# Altium PCB Disco 69.PcbDoc
Units mil, origin at the board's own origin, x right, y up, seen from the top; angles counter-clockwise.
Board outline 8872.23 x 3061.21 mil, 2 copper layers (Top Layer, Bottom Layer); 85 components, 55 nets, 293 pads, 138 vias.
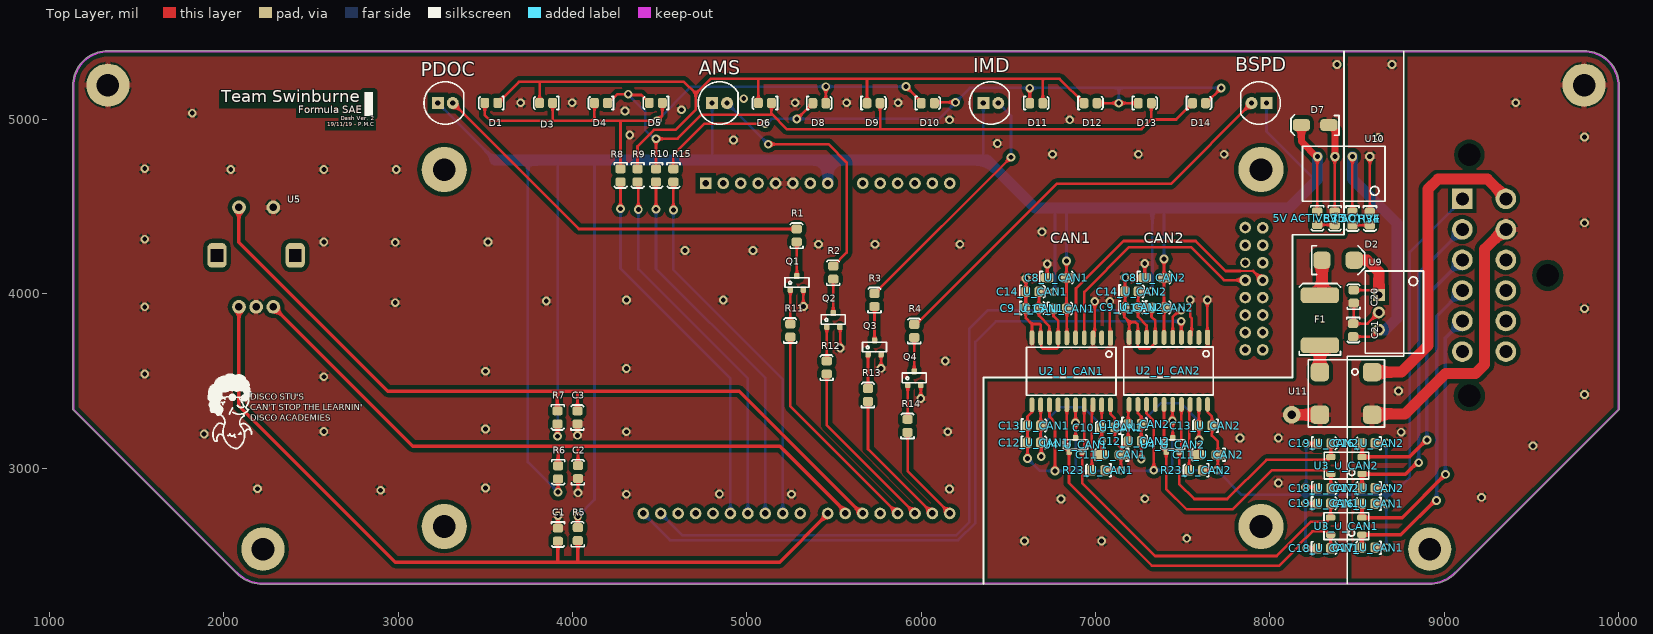
[diagram p0: Top Layer view]
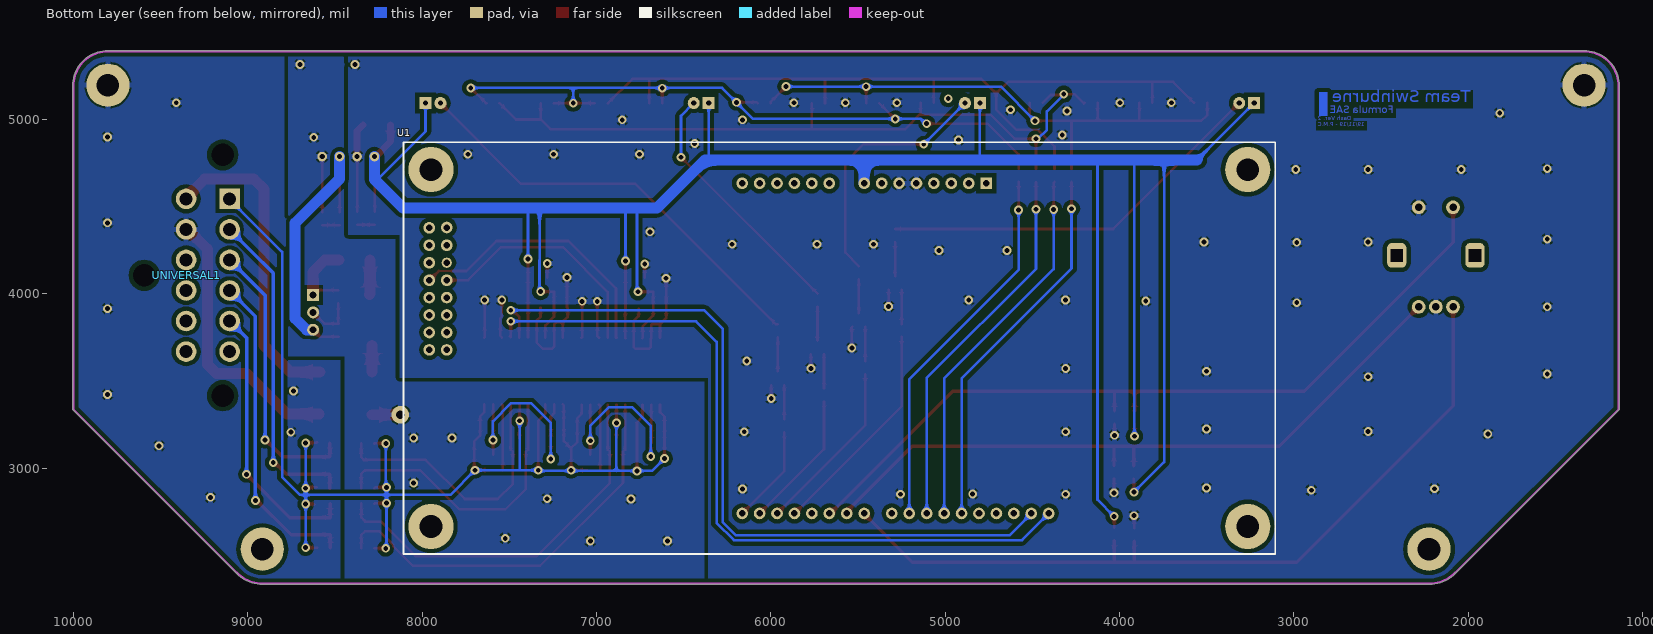
[diagram p1: Bottom Layer view, seen from below]

## Layer stack, top to bottom
Top Solder: solder mask 0.4, Solder Resist, Dk 3.5
Top Layer: signal copper 1.4
Dielectric 1: dielectric 12.6, FR-4, Dk 4.8
Bottom Layer: signal copper 1.4
Bottom Solder: solder mask 0.4, Solder Resist, Dk 3.5

## Board outline
2071.26,2398.03 1134.25,3335.04 1134.27,3335.02 cw(c1137.8,3338.58) 1132.78,3338.58 1132.78,5192.88 1132.78,5192.91 cw(c1334.65,5192.91) 1334.56,5394.78 cw(c1334.65,5389.77) 1334.65,5394.78 9803.15,5394.78 cw(c9803.15,5389.76) 9803.18,5394.78 cw(c9803.15,5192.91) 10005.02,5192.91 cw(c10000,5192.91) 10005.01,5192.86 10005.02,3338.58 cw(c10000,3338.58) 10003.53,3335.02 10003.55,3335.04 9066.54,2398.03 cw(c9062.99,2401.57) 9063.91,2396.64 cw(c8917.32,2535.43) 8917.32,2333.57 2224.41,2333.57 ccw(c2224.41,2338.58) 2224.44,2333.57 2224.41,2333.57 cw(c2224.41,2535.43) 2221.01,2333.6 cw(c2220.47,2338.58) 2220.47,2333.57 cw(c2220.47,2535.43) 2073.89,2396.64 cw(c2074.8,2401.57)

## Design rules (kind name [scope] priority, off if disabled: settings)
Clearance [All] p1: gap=11.81 ignorepadtopadclearanceinfootprint=TRUE except(0: Arc-Hole Track-Hole SMDPad-Hole THPad-Hole Via-Hole Fill-Hole Poly-Hole Region-Hole Text-Hole; 23.62: Arc-Poly Track-Poly SMDPad-Poly THPad-Poly Via-Poly Fill-Poly Poly-Poly)
Height [All] p1: minheight=0 maxheight=1968.5 prefheight=500
PlaneConnect [All] p1: planeconnectstyle=Relief reliefexpansion=20 reliefentries=4 reliefconductorwidth=31.5 reliefairgap=10
PolygonConnect [All] p1: connectstyle=Relief reliefconductorwidth=31.5 reliefentries=4 polygonreliefangle="90 Angle" airgapwidth=10
RoutingVias [All] p1: holewidth=28 width=50 viastyle="Through Hole" minholewidth=28 minwidth=50 maxholewidth=28 maxwidth=50
SolderMaskExpansion [All] p1: expansion=4
Width [All] p1: maxlimit=118.11 minlimit=11.81 preferedwidth=19.68
28 further rules are at their usual default settings.

## Classes and differential pairs
channel class CAN: U_CAN1 U_CAN2
component class U_Power: "5V ACTIVE" "5V ACTIVE (ISO)" C20 C21 D2 D7 F1 R34 R35 U9 U10 U11
component class U_CAN2: C8_U_CAN2 C9_U_CAN2 C10_U_CAN2 C11_U_CAN2 C12_U_CAN2 C13_U_CAN2 C14_U_CAN2 C15_U_CAN2 C16_U_CAN2 C17_U_CAN2 C18_U_CAN2 C19_U_CAN2 R23_U_CAN2 U2_U_CAN2 U3_U_CAN2 U4_U_CAN2
component class U_CAN1: C8_U_CAN1 C9_U_CAN1 C10_U_CAN1 C11_U_CAN1 C12_U_CAN1 C13_U_CAN1 C14_U_CAN1 C15_U_CAN1 C16_U_CAN1 C17_U_CAN1 C18_U_CAN1 C19_U_CAN1 R23_U_CAN1 U2_U_CAN1 U3_U_CAN1 U4_U_CAN1
component class "Top Level": AMS BSPD C1 C2 C3 D1 D3 D4 D5 D6 D8 D9 D10 D11 D12 D13 D14 IMD PDOC Q1 Q2 Q3 Q4 R1 R2 R3 R4 R5 R6 R7 R8 R9 R10 R11 R12 R13 R14 R15 U1 U5 UNIVERSAL1

## Components (designator, comment, footprint, x,y, rotation, side; value= is the part's Value field where it differs from the comment)
"5V ACTIVE" "LED" "0805 LED" 8475.05,4431.33 r270 top
"5V ACTIVE (ISO)" "LED" "0805 LED" 8272.98,4433.07 r270 top
AMS "RED" "5MM LED" 4457.29,4984.25 r0 top
BSPD "RED" "5MM LED" 8324.39,5204.72 r180 top
C1 "100nF" 0805 3917.32,2618.11 r270 top
C2 "100nF" 0805 4030.56,2977.62 r90 top
C3 "100nF" 0805 4027.56,3291.34 r90 top
C8_U_CAN1 "10nF" 1206 6825.88,4092.52 r0 top (schematic designator C8)
C8_U_CAN2 "10nF" 1206 7385.23,4092.52 r0 top (schematic designator C8)
C9_U_CAN1 "100nF" 0805 6638.1,3918.72 r0 top (schematic designator C9)
C9_U_CAN2 "100nF" 0805 7207.35,3922.82 r0 top (schematic designator C9)
C10_U_CAN1 "100nF" 0805 7072.59,3232.09 r180 top (schematic designator C10)
C10_U_CAN2 "100nF" 0805 7225.49,3253.94 r0 top (schematic designator C10)
C11_U_CAN1 "10nF" 1206 7043.54,3076.77 r180 top (schematic designator C11)
C11_U_CAN2 "10nF" 1206 7599.5,3076.77 r180 top (schematic designator C11)
C12_U_CAN1 "10uF" 0805 6647.95,3146.7 r0 top (schematic designator C12)
C12_U_CAN2 "10uF" 0805 7225.49,3155.51 r0 top (schematic designator C12)
C13_U_CAN1 "100nF" 0805 6647.95,3245.13 r0 top (schematic designator C13)
C13_U_CAN2 "100nF" 0805 7630.03,3243.06 r180 top (schematic designator C13)
C14_U_CAN1 "10uF" 0805 6638.87,4012.75 r0 top (schematic designator C14)
C14_U_CAN2 "10uF" 0805 7207.35,4013.91 r0 top (schematic designator C14)
C15_U_CAN1 "100nF" 0805 6796.35,3915.35 r0 top (schematic designator C15)
C15_U_CAN2 "100nF" 0805 7359.35,3921.79 r0 top (schematic designator C15)
C16_U_CAN1 "100pF" 0805 8565.05,2794.62 r180 top (schematic designator C16)
C16_U_CAN2 "100pF" 0805 8565.9,3141.86 r180 top (schematic designator C16)
C17_U_CAN1 "100pF" 0805 8565.05,2543.14 r180 top (schematic designator C17)
C17_U_CAN2 "100pF" 0805 8565.9,2884.47 r180 top (schematic designator C17)
C18_U_CAN1 "100pF" 0805 8312.06,2541.14 r0 top (schematic designator C18)
C18_U_CAN2 "100pF" 0805 8312.91,2885.29 r0 top (schematic designator C18)
C19_U_CAN1 "100pF" 0805 8312.06,2798.46 r0 top (schematic designator C19)
C19_U_CAN2 "100pF" 0805 8312.91,3142.69 r0 top (schematic designator C19)
C20 "10uF" 0805 8480.32,3984.65 r90 top
C21 "22uF" 0805 8479.12,3791.34 r270 top
D1 "Red" "0805 LED" 3533.4,5094.07 r180 top
D2 "SD560BTR" "SMB Diode" 8309.06,4192.91 r0 top
D3 "Red" "0805 LED" 3848.05,5094.07 r180 top
D4 "Red" "0805 LED" 4162.7,5094.07 r180 top
D5 "Red" "0805 LED" 4477.35,5094.07 r180 top
D6 "Red" "0805 LED" 5103.17,5094.07 r180 top
D7 "SMAZ5V6-13-F" "DI SMA Diode" 8338.58,4968.5 r180 top
D8 "Red" "0805 LED" 5416.26,5094.9 r0 top
D9 "Red" "0805 LED" 5727.44,5094.9 r0 top
D10 "Red" "0805 LED" 6038.62,5094.9 r0 top
D11 "Red" "0805 LED" 6660.98,5094.9 r0 top
D12 "Red" "0805 LED" 6972.16,5094.9 r0 top
D13 "Red" "0805 LED" 7283.34,5094.9 r0 top
D14 "Red" "0805 LED" 7594.52,5094.9 r0 top
F1 "0ZCF0200AF2C" 2920 8287.4,3704.72 r90 top
IMD "RED" "5MM LED" 6013.19,4984.25 r0 top
PDOC "RED" "5MM LED" 2884.05,4984.25 r0 top
Q1 "BC817-16LT1" "ON SOT-23 BJT" 5287.17,4062.99 r0 top
Q2 "BC817-16LT1" "ON SOT-23 BJT" 5496.05,3850.39 r0 top
Q3 "BC817-16LT1" "ON SOT-23 BJT" 5732.68,3692.91 r0 top
Q4 "BC817-16LT1" "ON SOT-23 BJT" 5960.63,3515.75 r0 top
R1 "240R" 0805 5285.11,4334.85 r90 top
R2 "240R" 0805 5495.02,4122.25 r90 top
R3 "240R" 0805 5731.65,3964.77 r90 top
R4 "240R" 0805 5959.6,3787.6 r90 top
R5 "10k" 0805 4029.53,2622.05 r90 top
R6 "10k" 0805 3918.35,2975.18 r270 top
R7 "10k" 0805 3915.35,3290.39 r270 top
R8 "680R" 0805 4276.62,4678.66 r270 top
R9 "680R" 0805 4374.02,4678.66 r270 top
R10 "680R" 0805 4480.32,4678.66 r270 top
R11 "1k" 0805 5248.74,3790.2 r90 top
R12 "1k" 0805 5457.61,3577.61 r90 top
R13 "1k" 0805 5694.24,3420.13 r90 top
R14 "1k" 0805 5921.17,3242.96 r90 top
R15 "680R" 0805 4579.77,4678.66 r270 top
R23_U_CAN1 "0R" 0805 7016.35,2987.16 r180 top (schematic designator R23)
R23_U_CAN2 "0R" 0805 7576.3,2987.16 r180 top (schematic designator R23)
R34 "1.5k" 0805 8575.05,4431.33 r270 top
R35 "1.5k" 0805 8372.98,4432.82 r270 top
U1 "DISCO-F469NI" DISCO-F469NI 5606.72,3649.73 r270 bottom locked
U2_U_CAN1 "ADM3053" "AD SOIC-W 20" 6860.66,3555.48 r180 top (schematic designator U2)
U2_U_CAN2 "ADM3053" "AD SOIC-W 20" 7418.1,3557.61 r180 top (schematic designator U2)
U3_U_CAN1 "B82787C0104H002" "TDK 4-PC Pad" 8528.12,2618.03 r180 top (schematic designator U3)
U3_U_CAN2 "B82787C0104H002" "TDK 4-PC Pad" 8528.98,2965.77 r180 top (schematic designator U3)
U4_U_CAN1 "NUP2105L" "ON SOT-23" 6885.83,3133.86 r0 top (schematic designator U4)
U4_U_CAN2 "NUP2105L" "ON SOT-23" 7443.1,3133.86 r0 top (schematic designator U4)
U5 "PEC11R-4230F-S0024" PEC11R-4230F-S0024-ND 2185.04,4220.47 r0 top
U9 "R-78C5.0-1.0" "RECOM 3-SIP" 8625.98,3993.7 r270 top
U10 "RI-0505S" "RECOM 4-SIP" 8424.02,4787.4 r180 top
U11 "744272121" "Wurth 4-PC Pad" 8287.4,3306.3 r0 top
UNIVERSAL1 "DT13-12P" DT13-12P 9354.33,4544.69 r270 bottom

## Footprints (in the part's own frame and the unit in brackets; to place one, negate y for a bottom-side part, rotate by r counter-clockwise, add the part's x,y. Pads: shape width x height; smd on the part's side, far side on the other; paste and mask are expansions set on the pad)
"5MM LED" [mm]
  rect 1.75x1.75 hole 0.762: A(8.725,2.8)
  round 1.75 hole 0.762: K(10.9,2.8)
  silkscreen extent 6.7,-0.3 12.48,5.9, body extent 6.85,-0.15 12.36,5.75, height 8.9
0805 [mil]
  rrect50% 51.18x59.06 smd: 1(-37.87,-1.03) 2(36.93,-1.03)
  silkscreen extent -73,-37 71,37, body extent -39,-26 39,26, height 29
"0805 LED" [mil]
  rrect50% 51.18x59.06 smd: A(-37.87,-1.03) K(36.93,-1.03)
  silkscreen extent -73,-37 71,37, body extent -43,-25 35,25, height 39
1206 [mm]
  rrect50% 1.8x1.4 smd: 1(-2.6,0) 2(0.2,0)
  silkscreen extent -3.7,-0.9 1.2,0.9, body extent -2.9,-0.9 0.5,0.9, height 1.85
2920 [mm]
  rrect50% 2.3x5.6 smd: 1(0,0) 2(7.3,0)
  silkscreen extent -1.4,-3 9,3, body extent -0.34,-2.81 7.64,2.81, height 1.14
"AD SOIC-W 20" [mil]
  rrect50% 28x85 smd: 1(-225,-192.02)
  oval 28x85 smd: 2(-175,-192.02) 3(-125,-192.02) 4(-75,-192.02) 5(-25,-192.02) 6(25,-192.02) 7(75,-192.02) 8(125,-192.02) 9(175,-192.02) 10(225,-192.02) 11(225,192.02) 12(175,191.98) 13(125,191.98) 14(75,191.98) 15(25,191.98) 16(-25,191.98) 17(-75,191.98) 18(-125,191.98) 19(-175,191.98) 20(-225,191.98)
  silkscreen extent -257,-138 256,138, body extent -260,-210 260,210, height 105
"DI SMA Diode" [mm]
  rrect50% 2.5x1.7 smd: A(0,0) K(4,0)
  silkscreen extent -1.5,-1.5 5.5,1.5, body extent -0.8,-1.46 4.79,1.46, height 2.35
DISCO-F469NI [mm]
  round 6.6 hole 3.3: 0(-27,-59.5) 0(-27,59.5) 0(25,-59.5) 0(25,59.5)
  rect 1.7x1.7 hole 0.95: 1(-25,21.391)
  round 1.7 hole 0.95: 2(-25,18.851) 3(-25,16.311) 4(-25,13.771) 5(-25,11.231) 6(-25,8.691) 7(-25,6.151) 8(-25,3.611) 9(-25,-1.469) 10(-25,-4.009) 11(-25,-6.549) 12(-25,-9.089) 13(-25,-11.629) 14(-25,-14.169) 15(23.103,30.499) 16(23.103,27.959) 17(23.103,25.419) 18(23.103,22.879) 19(23.103,20.339) 20(23.103,17.799) 21(23.103,15.259) 22(23.103,12.719) 23(23.103,10.179) 24(23.103,7.639) 25(23.103,3.611) 26(23.103,1.071) 27(23.103,-1.469) 28(23.103,-4.009) 29(23.103,-6.549) 30(23.103,-9.089) 31(23.103,-11.629) 32(23.103,-14.169) 33(-0.727,-57.213) 34(-3.267,-57.213) 35(-5.807,-57.213) 36(-8.347,-57.213) 37(-10.887,-57.213) 39(-15.967,-57.213) 40(-18.558,-57.213) 41(-18.507,-59.753) 42(-15.967,-59.753) 43(-13.427,-59.753) 44(-10.887,-59.753) 45(-8.347,-59.753) 46(-5.807,-59.753) 47(-3.267,-59.753) 48(-0.727,-59.753)
  round 1.5 hole 0.95: 38(-13.427,-57.213)
  silkscreen extent -31,-63.5 29,63.5, body extent -31.1,-64.69 29.95,63.89
DT13-12P [mm]
  round 3 hole 3.3 unplated: 0(-6.405,5.33) 0(11.135,-6.1) 0(28.675,5.33)
  rect 3x3 hole 1.9: 1(0,6.35)
  round 3 hole 1.9: 2(4.45,6.35) 3(8.9,6.35) 4(13.35,6.35) 5(17.8,6.35) 6(22.25,6.35) 7(22.25,0) 8(17.8,0) 9(13.35,0) 10(8.9,0) 11(4.45,0) 12(0,0)
  body extent -18.6,-34.7 40.6,9.5, height 37.63
"ON SOT-23" [mm] "NUP2105L"
  rrect50% 0.8x0.9 smd: 1(-0.95,-1) 2(0.95,-1) 3(0,1)
  silkscreen extent -1.75,-0.65 1.75,0.75, body extent -1.5,-1.27 1.5,1.28, height 1
"ON SOT-23 BJT" [mm] "NUP2105L"
  rrect50% 0.8x0.9 smd: B(-0.95,-1) C(0,1) E(0.95,-1)
  silkscreen extent -1.75,-0.65 1.75,0.75, body extent -1.5,-1.27 1.5,1.28, height 1
PEC11R-4230F-S0024-ND [mm]
  round 2 hole 1.1: 1(-2.5,-7.5) 2(2.5,-7.5) 3(0,-7.5) 4(-2.5,7) 5(2.5,7)
  rrect50% 2.8x3.6 hole 1.8 square: TAB(-5.7,0) TAB(5.7,0)
  body extent -6.92,-7.67 6.92,7.18, height 21.7
"RECOM 3-SIP" [mm] "12 to 42 Vdc In, 9 Vdc Out"
  rect 1.75x1.75 hole 1: 1(0,0)
  round 1.75 hole 1: 2(2.54,0) 3(5.08,0)
  silkscreen extent -3.5,-2 8.5,6.5, body extent -3.26,-2.02 8.34,6.48, height 11.41
"RECOM 4-SIP" [mil]
  round 55 hole 30: 1(-150,0) 2(-50,0) 3(50,0) 4(150,0)
  silkscreen extent -236,-59 236,256, body extent -225,-51 227,249, height 122
"SMB Diode" [mm]
  rrect50% 2.5x2.5 smd: A(-0.25,0) K(4.45,0)
  silkscreen extent -1.75,-2.1 6,2.1, body extent -0.69,-1.97 4.9,1.97, height 2.5
"TDK 4-PC Pad" [mm]
  rrect50% 1.35x0.9 smd: 1(0,0) 2(0,-2.5) 3(4.55,-2.5) 4(4.55,0)
  silkscreen extent -1,-3.2 5.5,0.7, body extent -0.02,-2.82 4.48,0.38, height 2.8
"Wurth 4-PC Pad" [mm]
  rrect50% 2.7x2.7 smd: 1(7.62,6.22) 2(0,6.22) 3(0,0) 4(7.62,0)
  silkscreen extent -1.7,-1.8 9.4,8, body extent -1.19,-1.24 8.81,7.46, height 6.2

## Part data
"5V ACTIVE" "5V ACTIVE (ISO)": library part SML-210LTT86, "Red LED Indication - Discrete 1.75V 0805 (2012 Metric)", Colour=Red, Digikey Part Number=511-1286-1-ND, Manufacturer="ROHM Semiconductor", Digikey Link=https://www.digikey.com/product-detail/en/rohm-semiconductor/SML-210LTT86/511-1286-1-ND/637099, Part Number=SML-210LTT86
AMS BSPD IMD PDOC: library part C503B-GAN-CB0F0791, "LED RED CLEAR 5MM ROUND T/H", Colour=Green, Digikey Part Number=C503B-GAN-CB0F0791-ND, Manufacturer="Cree Inc.", Digikey Link=https://www.digikey.com/products/en?mpart=C503B-GAN-CB0F0791&v=90&fbclid=IwAR2JUDlssEKQKztQKB3h34IlXIXn-Voov26K1DpWHwQ6mgzekaFZMifRLJU, Part Number=C503B-GAN-CB0F0791
C1 C2 C3 C9_U_CAN1 C9_U_CAN2 C10_U_CAN1 C10_U_CAN2 C13_U_CAN1 C13_U_CAN2 C15_U_CAN1 C15_U_CAN2: library part GCM21BR71E104KA37L, Manufacturer=muRata, Rated Voltage=25V, Tolerance=10%, Material=X7R, Part Number=GCM21BR71E104KA37L
C8_U_CAN1 C8_U_CAN2 C11_U_CAN1 C11_U_CAN2: library part GCM3195C2A103JA16D, Digikey Part Number=490-4978-2-ND, Manufacturer=muRata, Rated Voltage=100V, Tolerance=5%, Material=Ceramic, Part Number=GCM3195C2A103JA16D
C12_U_CAN1 C12_U_CAN2 C14_U_CAN1 C14_U_CAN2 C20: library part GRM21BR6YA106KE43L, Digikey Part Number=490-10514-6-ND, Manufacturer=muRata, Rated Voltage=50V, Tolerance=10%, Material=X5R, Part Number=GRM21BR6YA106KE43L
C16_U_CAN1 C16_U_CAN2 C17_U_CAN1 C17_U_CAN2 C18_U_CAN1 C18_U_CAN2 C19_U_CAN1 C19_U_CAN2: library part GCM21B5C1H101JA37L, Manufacturer=muRata, Rated Voltage=50V, Tolerance=5%, Material=C0G, Part Number=GCM21B5C1H101JA37L
C21: library part GRM21BR61A226ME51L, Digikey Part Number=490-10511-1-ND, Manufacturer=muRata, Rated Voltage=10V, Tolerance=20%, Material=X5R, Part Number=GRM21BR61A226ME51L
D1 D3 D4 D5 D6 D8 D9 D10 D11 D12 D13 D14: library part SML-210LTT86, "Red LED Indication - Discrete 1.75V 0805 (2012 Metric)", Digikey Part Number=511-1286-1-ND, Manufacturer="ROHM Semiconductor", Colour=Red, Digikey Link=https://www.digikey.com/product-detail/en/rohm-semiconductor/SML-210LTT86/511-1286-1-ND/637099, Part Number=SML-210LTT86
D2: "1.2V_F 600V 5A SMB", Digikey Part Number=1655-1530-2-ND, Manufacturer="SMC Diode Solutions", Digikey Link=https://www.digikey.com/product-detail/en/smc-diode-solutions/SD560BTR/1655-1530-2-ND/6022620, Part Number=SD560BTR
D7: "DIODE ZENER 5.6V 1W SMA", Digikey Part Number=SMAZ5V6-FDICT-ND, Manufacturer="Diodes Inc", Digikey Link=https://www.digikey.com/product-detail/en/diodes-incorporated/SMAZ5V6-13-F/SMAZ5V6-FDICT-ND/755500, Part Number=SMAZ5V6-13-F
F1: "SMD 24V 2A Fuse", Digikey Part Number=507-1749-2-ND, Manufacturer="Bel Fuse Inc", Digikey Link=https://www.digikey.com/product-detail/en/bel-fuse-inc/0ZCF0200AF2C/507-1749-2-ND/4156090, Part Number=0ZCF0200AF2C
Q1 Q2 Q3 Q4: "300mW  BJT NPN Transistor", Digikey Part Number=BC817-16LT1OSTR-ND, Manufacturer="ON Semiconductor", Digikey Link=https://www.digikey.com.au/product-detail/en/on-semiconductor/BC817-16LT1/BC817-16LT1OSTR-ND/606178, Part Number=BC817-16LT1
R1 R2 R3 R4: library part RC0805FR07240RL, Manufacturer=YAGEO, Rated Voltage=0.125W, Tolerance=0.01, Material=FR-07, Part Number=RC0805FR07240RL, Qty=50
R5 R6 R7: library part RC0805FR0710KL, Manufacturer=YAGEO, Rated Voltage=0.125W, Tolerance=0.01, Material=FR-07, Part Number=RC0805FR0710KL, Qty=50
R8 R9 R10 R15: library part RC0805FR07680RL, Manufacturer=YAGEO, Rated Voltage=0.125W, Tolerance=0.01, Material=FR-07, Part Number=RC0805FR07680RL, Qty=50
R11 R12 R13 R14: library part RC0805FR071KL, Manufacturer=YAGEO, Rated Voltage=0.125W, Tolerance=0.01, Material=FR-07, Part Number=RC0805FR071KL, Qty=50
R23_U_CAN1 R23_U_CAN2: library part RC0805FR070RL, Manufacturer=YAGEO, Rated Voltage=0.125W, Tolerance=0.01, Material=FR-07, Part Number=RC0805FR070RL, Qty=50
R34 R35: library part RC0805FR071K5L, Manufacturer=YAGEO, Rated Voltage=0.125W, Tolerance=0.01, Material=FR-07, Part Number=RC0805FR071K5L, Qty=50
U1: "STM32F469 Discovery STM32F4 ARM® Cortex®-M4 MCU 32-Bit Embedded Evaluation Board  (The Disco 69 lol)", Digikey Part Number=497-15990-ND, Manufacturer=STMicroelectronics, Digikey Link=https://www.digikey.com/product-detail/en/stmicroelectronics/STM32F469I-DISCO/497-15990-ND/5428811, Part Number=DISCO-F469NI
U2_U_CAN1 U2_U_CAN2: "Isolated CAN Transceiver", Digikey Part Number=ADM3053BRWZ-ND, Manufacturer="Analogue Devices", Digikey Link=https://www.digikey.com/product-detail/en/analog-devices-inc/ADM3053BRWZ/ADM3053BRWZ-ND/2709332, Part Number=ADM3053
U3_U_CAN1 U3_U_CAN2: "Common mode choke intended for CANBUS 150mA 50V)", Digikey Part Number=495-4598-2-ND, Manufacturer="EPCOS (TDK)", Digikey Link=https://www.digikey.com/product-detail/en/epcos-tdk/B82787C0104H002/495-4598-2-ND/3680998, Part Number=B82787C0104H002
U4_U_CAN1 U4_U_CAN2: "Dual Line CAN Bus Protector", Digikey Part Number=NUP2105LT1GOSCT-ND, Manufacturer="ON Semiconductor", Digikey Link=https://www.digikey.com/product-detail/en/on-semiconductor/NUP2105LT1G/NUP2105LT1GOSCT-ND/1485001, Part Number=NUP2105L
U5: "Quadrature Rotary encoder w/ pushbutton", Digikey Part Number=PEC11R-4230F-S0024-ND, Manufacturer="Bourns Inc.", Digikey Link=https://www.digikey.com/product-detail/en/bourns-inc/PEC11R-4230F-S0024/PEC11R-4230F-S0024-ND/4699230, Part Number=PEC11R-4230F-S0024
U9: "CONV DC/DC 1A 5V OUT SIP VERT", Digikey Part Number=945-1395-5-ND, Manufacturer=Recom, Digikey Link=https://www.digikey.com.au/product-detail/en/recom-power/R-78C5.0-1.0/945-1395-5-ND/2652148, Part Number=R-78C5.0-1.0
U10: "5V DC-DC Converter (2W)", Digikey Part Number=945-1189-ND, Manufacturer=Recom, Digikey Link=https://www.digikey.com/product-detail/en/recom-power/RI-0505S/945-1189-ND/2256369, Part Number=RI-0505S
U11: "Common Mode Choke 120UH 2.5A 2LN 460 OHM SMD", Digikey Part Number=732-1489-2-ND, Manufacturer="Wurth Electronics Inc", Digikey Link=https://www.digikey.com/product-detail/en/wurth-electronics-inc/744272121/732-1489-2-ND/1638893, Part Number=744272121
UNIVERSAL1: library part DT13-12P[[/\]]DT13-12P, Digikey Part Number=1734-1451-ND, Angle=90, Contact=Nickel, Digikey Link=https://www.digikey.com.au/product-detail/en/te-connectivity-deutsch-connectors/DT13-12PA/1734-1451-ND/7220123, Flange=Yes, Part Number=DT13-12P, Pitch=4.44mm, Positions=12, Row Spacing=6.35mm

## Free pads (board coordinates)
  round 248.03 hole 129.92: 4(1334.65,5196.85) 4(2224.41,2535.43) 4(8917.32,2535.43) 4(9803.15,5196.85)

## Via types
v1: diameter 50, hole 28, Top Layer to Bottom Layer, 137 vias
v2: diameter 100, hole 50, Top Layer to Bottom Layer, 1 vias

## Nets (pads, with @x,y where several pads share a name; then routed paths per layer and width w, separated by ;. In a path a pad name is that pad's centre, name@x,y a point inside that pad or via, vN(x,y) a via of type N, cw(c..) or ccw(c..) an arc to the next point about the centre after c; other vN are vias at no path point)
0V: C20.1 C21.1 R34.1 U9.2 U10.1 U11.3 | length 775.9
  Top Layer w15: C20.1 8481.35,3832.47 C21.1 8561.49,3829.21 U9.2 ; R34.1 8574.02,4782.68 U10.1@8578.74,4787.4
  Top Layer w62.99: v2(8125.2,3306.3) U11.3
  other v1: 6592.52,2581.69 7035.66,2581.69 7523.62,2597.44 6802.8,2822.83 7283.28,2824.74 8048.98,2915.13 7829.52,3173.23 8048.98,3173.23 8622.05,4897.64 8700.79,5314.96
"0V (ISO)": C1.1 C2.1 C3.1 C8_U_CAN1.1 C8_U_CAN2.1 C9_U_CAN1.1 C9_U_CAN2.1 C14_U_CAN1.1 C14_U_CAN2.1 C15_U_CAN1.1 C15_U_CAN2.1 D7.A pad.4@1334.65,5196.85 Q1.E Q2.E Q3.E Q4.E R35.1 U1.5 U1.6 U2_U_CAN1.1 U2_U_CAN1.3 U2_U_CAN1.7 U2_U_CAN1.9 U2_U_CAN1.10 U2_U_CAN2.1 U2_U_CAN2.3 U2_U_CAN2.7 U2_U_CAN2.9 U2_U_CAN2.10 U5.3 U5.5 U10.3 | length 3872.5
  Top Layer w15: C1.1 v1(3916.29,2727.32) ; v1(4028.59,3188.04) C3.1 ; v1(4031.59,2858.36) C2.1 ; v1(5324.58,3926.94) Q1.E ; Q2.E 5539.37,3805.1 5535.43,3801.17 v1(5535.43,3688.98) ; v1(5770.08,3572.44) Q3.E ; v1(5998.03,3399.61) Q4.E ; v1(6601,4089.19) C14_U_CAN1.1 6600.23,4010.94 C9_U_CAN1.1 6600.23,3860.4 6633.86,3826.77 ; U2_U_CAN1.10 6635.66,3824.97 6633.86,3826.77 ; C8_U_CAN1.1 v1(6723.52,4171.37) ; C15_U_CAN1.1 6758.48,3873.05 6785.66,3845.87 U2_U_CAN1.7 6785.66,3693.35 6776.88,3684.57 6699.01,3684.57 6688.15,3695.42 6688.15,3745.01 U2_U_CAN1.9 6685.66,3822.05 6680.94,3826.77 6633.86,3826.77 ; U2_U_CAN1.3 6996.06,3757.9 v1(6996.06,3956.69) ; v1(7082.68,3956.69) 7082.68,3752.39 7086.61,3748.45 U2_U_CAN1.1 ; v1(7169.48,4094.68) C14_U_CAN2.1 C9_U_CAN2.1 7165.35,3917.66 7165.35,3866.5 7193.27,3838.58 ; U2_U_CAN2.10 7193.27,3749.8 7193.27,3838.58 ; C8_U_CAN2.1 v1(7282.87,4173.83) ; C15_U_CAN2.1 7321.47,3867.5 7343.1,3845.87 U2_U_CAN2.7 7343.1,3721.49 7306.18,3684.57 7255.2,3684.57 7243.1,3696.66 U2_U_CAN2.9 7243.1,3822.83 7227.36,3838.58 7193.27,3838.58 ; U2_U_CAN2.3 7552.17,3758.7 7552.17,3860.87 7543.31,3869.73 v1(7543.31,3964.57) ; v1(7641.73,3964.57) 7641.73,3751.01 U2_U_CAN2.1 ; R35.1 8371.95,4777.46 U10.3@8374.02,4779.53
  Top Layer w39.37: D7.A 8374.02,4933.07 U10.3
  other v1: 4308.83,2850.39 5255.91,2850.39 4842.52,2852.13 2899.61,2873.03 6163.16,2880.97 2193.05,2881.89 3500.98,2885.83 1886.81,3195.87 4308.83,3208.49 6152.91,3208.99 2573.46,3210.4 3500.98,3224.24 2573.46,3524.61 1545.96,3540.35 3500.98,3555.97 4308.83,3571.71 6138.2,3614.53 1545.96,3925.2 2982.98,3949.42 3849.47,3958.56 4310.27,3964.29 4864.57,3964.29 4645.67,4248.83 5035.78,4248.83 5410.72,4284.18 5734.92,4284.18 6222.15,4284.18 2982.98,4295.28 2573.46,4297.9 3515.01,4297.9 1545.96,4313.64 6692.95,4355.31 2039.81,4712.6 2988.59,4712.6 2573.46,4713.59 1545.96,4717.88 6753.71,4800.95 7245.83,4800.95 7737.96,4800.95 6437.01,4862.2 4923.85,4882.79 4328.51,4911.19 6163.16,4997.8 6852.13,4997.8 1818.9,5036.42 4301.18,5049.21 4625,5056.1 3702.53,5096.23 3997.8,5096.23 5277.33,5096.23 5572.61,5096.23 5867.88,5096.23 8385.83,5314.96
5V: "5V ACTIVE.A" C21.2 U9.3 U10.2 | length 1646
  Top Layer w15: 8474.02,4469.2 U10.2 ; C21.2 8586.69,3754.41 U9.3
  Bottom Layer w62.99: U10.2 8474.02,4659.84 8728.35,4405.51 8728.35,3858.27 8663.78,3793.7 U9.3
"5V (ISO)": "5V ACTIVE (ISO).A" AMS.A BSPD.A C8_U_CAN1.2 C8_U_CAN2.2 C9_U_CAN1.2 C9_U_CAN2.2 C14_U_CAN1.2 C14_U_CAN2.2 C15_U_CAN1.2 C15_U_CAN2.2 D7.K IMD.A PDOC.A R5.2 R6.2 R7.2 U1.8 U2_U_CAN1.6 U2_U_CAN1.8 U2_U_CAN2.6 U2_U_CAN2.8 U10.4 | length 16468.7
  Top Layer w15: v1(3914.32,3183.07) R7.2 ; v1(3917.32,2862.3) R6.2 ; R5.2 v1(4030.56,2723.47) ; U2_U_CAN1.8@6738.15,3745.01 U2_U_CAN1.8 6735.66,3813.71 6675.03,3874.35 C9_U_CAN1.2 6675.03,4010.94 C14_U_CAN1.2 v1(6762.62,4011.72) ; U2_U_CAN1.6@6833.18,3745.01 U2_U_CAN1.6 6835.66,3911.94 C15_U_CAN1.2 6833.76,3914.8 C8_U_CAN1.2 v1(6833.76,4188.09) ; U2_U_CAN2.8 7293.1,3819.71 7244.28,3868.53 C9_U_CAN2.2 C14_U_CAN2.2 v1(7320.56,4012.88) ; U2_U_CAN2.6 C8_U_CAN2.2 v1(7393.1,4200.19) ; 8271.95,4470.94 8271.95,4785.34 U10.4
  Top Layer w39.37: D7.K 8181.1,4874.02 U10.4@8271.65,4783.46
  Bottom Layer w15: PDOC.A 3554.32,4767.72 ; 3744.09,4767.72 3744.09,3035.53 v1(3917.32,2862.3) ; v1(3914.32,3183.07) 3914.32,4764.72 3917.32,4767.72 ; v1(4030.56,2723.47) 4125.98,2818.9 4125.98,4759.84 4133.86,4767.72 ; 4791.34,4767.72 4800.79,4777.17 AMS.A ; IMD.A 6356.69,4788.98 6377.95,4767.72 ; v1(6762.62,4011.72) 6767.83,4016.93 6767.83,4488.07 6763.78,4492.13 ; v1(6833.76,4188.09) 6833.76,4491.24 6834.65,4492.13 ; v1(7320.56,4012.88) 7327.18,4019.5 7327.18,4192.18 7326.77,4192.59 7326.77,4492.13 ; 7381.89,4492.13 7393.1,4480.91 v1(7393.1,4200.19) ; BSPD.A 7980.89,4932.5 8257.48,4655.91 8274.02,4655.91
  Bottom Layer w62.99: 3554.32,4767.72 3744.09,4767.72 3917.32,4767.72 4133.86,4767.72 4791.34,4767.72 5464.57,4767.72 ; U1.8 5464.57,4767.72 ; U10.4 8274.02,4655.91 8110.24,4492.13 7381.89,4492.13 7326.77,4492.13 6834.65,4492.13 6763.78,4492.13 6653.54,4492.13 6377.95,4767.72 5464.57,4767.72
AMS: R12.1 U1.30 | length 1009.1
  Top Layer w15: R12.1 5458.65,3246.08 U1.30
BSPD: R14.1 U1.32 | length 565.3
  Top Layer w15: R14.1 5922.2,2982.53 U1.32
C1: R8.2 U1.20 | length 2162.7
  Top Layer w15: v1(4275.59,4488.19) R8.2
  Bottom Layer w15: v1(4275.59,4488.19) 4275.59,4145.67 4905.97,3515.29 U1.20
C2: R9.2 U1.21 | length 2163.8
  Top Layer w15: R9.2 4377.95,4636.76 v1(4377.95,4484.25)
  Bottom Layer w15: v1(4377.95,4484.25) 4377.95,4141.73 5005.97,3513.72 U1.21
C3: R10.2 U1.22 | length 2161.2
  Top Layer w15: v1(4479.28,4485.28) R10.2
  Bottom Layer w15: v1(4479.28,4485.28) 4479.28,4142.76 5105.97,3516.08 U1.22
C4: R15.2 U1.23 | length 2161.4
  Top Layer w15: v1(4578.74,4480.32) R15.2
  Bottom Layer w15: v1(4578.74,4480.32) 4578.74,4137.8 5205.97,3510.57 U1.23
CAN1_RX: U1.37 U2_U_CAN1.4 | length 1372.1
  Top Layer w15: U2_U_CAN1.4 6935.66,4011.53 7191.85,4267.72 7547.24,4267.72 7736.61,4078.35 U1.37
CAN1_TX: U1.44 U2_U_CAN1.5 | length 1562.8
  Top Layer w11.81: 7829.52,4131.11 7904.32,4131.11
  Top Layer w15: U2_U_CAN1.5 6888.5,3747.5 6888.5,4030.97 7160.69,4303.15 7574.8,4303.15 7746.82,4131.13 7829.5,4131.13 ; 7904.32,4131.11 7957.08,4078.35 U1.44
CAN1H: C16_U_CAN1.2 U3_U_CAN1.2 UNIVERSAL1.5 | length 1581
  Top Layer w20: C16_U_CAN1.2 U3_U_CAN1.2 8759.77,2716.46 v1(9007.87,2964.57)
  Bottom Layer w20: v1(9007.87,2964.57) 9007.87,3747.44 UNIVERSAL1.5
CAN1L: C17_U_CAN1.2 U3_U_CAN1.1 UNIVERSAL1.4 | length 1860.6
  Top Layer w20: C17_U_CAN1.2 U3_U_CAN1.1 8751.77,2618.03 8956.69,2822.96 v1(8956.69,2814.96)
  Bottom Layer w20: v1(8956.69,2814.96) 8956.69,3871.46 UNIVERSAL1.4
CAN2_RX: U1.15 U2_U_CAN2.4 | length 4403.6
  Top Layer w15: v1(7492.11,3842.51) v1@7492.11,3850.38 ; U2_U_CAN2.4@7492.13,3751.97 7496.06,3755.91 7492.13,3759.84 v1(7492.11,3842.51)
  Bottom Layer w15: U1.15 4558.76,2587.36 6211.89,2587.36 6311.02,2686.49 6311.02,3724.41 6429.13,3842.52 v1(7492.11,3842.51) ; v1@7492.13,3850.39 v1(7492.11,3842.51) v1@7503.93,3830.71
CAN2_TX: U1.16 U2_U_CAN2.5 | length 4436.1
  Top Layer w15: U2_U_CAN2.5 7443.1,3868.3 v1@7488.19,3913.39
  Bottom Layer w15: U1.16 4631.95,2614.17 6200.79,2614.17 6275.59,2688.98 6275.59,3799.21 6381.89,3905.51 7484.23,3905.51 v1@7492.13,3913.41 ; v1(7492.13,3905.51) v1@7492.13,3913.41 ; v1@7492.13,3921.22 v1@7492.13,3913.41 ; v1@7492.16,3921.25 7496.06,3917.35 v1@7492.13,3913.41
CAN2H: C16_U_CAN2.2 U3_U_CAN2.2 UNIVERSAL1.3 | length 1608.4
  Top Layer w20: C16_U_CAN2.2 U3_U_CAN2.2 8800.41,3064.19 8897.64,3161.42 v1(8901.57,3161.42)
  Bottom Layer w20: v1(8901.57,3161.42) 8901.57,3991.54 UNIVERSAL1.3
CAN2L: C17_U_CAN2.2 U3_U_CAN2.1 UNIVERSAL1.2 | length 1901.9
  Top Layer w20: C17_U_CAN2.2 U3_U_CAN2.1 8778.33,2965.77 8854.76,3042.2 v1(8854.76,3031.5)
  Bottom Layer w20: v1(8854.76,3031.5) 8863.07,3031.5 8854.33,3040.24 8854.33,4119.49 8982.81,4247.97 UNIVERSAL1.2
CANS: C10_U_CAN1.1 C10_U_CAN2.1 C11_U_CAN1.1 C11_U_CAN2.1 C12_U_CAN1.1 C12_U_CAN2.1 C13_U_CAN1.1 C13_U_CAN2.1 C16_U_CAN1.1 C16_U_CAN2.1 C17_U_CAN1.1 C17_U_CAN2.1 C18_U_CAN1.1 C18_U_CAN2.1 C19_U_CAN1.1 C19_U_CAN2.1 R23_U_CAN1.1 R23_U_CAN2.1 U2_U_CAN1.11 U2_U_CAN1.13 U2_U_CAN1.16 U2_U_CAN1.20 U2_U_CAN2.11 U2_U_CAN2.13 U2_U_CAN2.16 U2_U_CAN2.20 U4_U_CAN1.3 U4_U_CAN2.3 UNIVERSAL1.1 | length 9051.3
  Top Layer w15: v1(6610.08,3055.28) C12_U_CAN1.1 C13_U_CAN1.1 6610.08,3295.11 6635.66,3320.7 U2_U_CAN1.11 ; U2_U_CAN1.13 6736.22,3362.94 6736.22,3295.28 6771.65,3259.84 6767.72,3255.91 v1(6767.72,2984.25) ; U4_U_CAN1.3@6885.66,3173.23 v1@6885.66,3259.84 ; U2_U_CAN1.16 v1@6885.66,3259.84 ; v1(6885.83,3259.84) v1@6885.66,3259.84 ; R23_U_CAN1.1 v1(7145.67,2988.19) 7145.9,2988.19 C11_U_CAN1.1 7145.9,3113.94 7145.67,3114.17 ; U2_U_CAN1.20 7085.66,3311.97 7110.46,3287.18 C10_U_CAN1.1 7110.46,3149.38 7145.67,3114.17 ; U2_U_CAN2.11 7187.62,3360.11 C10_U_CAN2.1 C12_U_CAN2.1 7147.31,3114.17 7145.67,3114.17 ; U2_U_CAN2.13 7293.1,3313.2 7334.65,3271.65 v1(7334.65,2988.19) ; v1(7440.94,3271.65) 7440.94,3363.48 U2_U_CAN2.16 ; U4_U_CAN2.3 v1@7443.1,3271.65 ; R23_U_CAN2.1 v1(7696.85,2988.19) ; U2_U_CAN2.20 7643.1,3321.46 7667.9,3296.66 C13_U_CAN2.1 7667.9,3186.43 7701.87,3152.46 C11_U_CAN2.1 7701.87,2988.19 v1(7696.85,2988.19) ; v1@7700.79,2992.13 v1(7696.85,2988.19) ; v1(8204.72,2799.21) 8271.65,2799.21 C19_U_CAN1.1@8275.59,2795.28 ; v1(8204.72,2889.76) 8269.54,2889.76 C18_U_CAN2.1 ; v1(8208.66,3141.73) C19_U_CAN2.1 C19_U_CAN2.1 ; v1(8209.4,2540.11) C18_U_CAN1.1 ; C16_U_CAN2.1@8602.36,3149.61 8606.3,3145.67 8667.56,3145.67 v1(8668.42,3144.8) ; C17_U_CAN1.1 v1(8668.42,2544.18) ; C17_U_CAN2.1@8606.3,2889.76 8663.62,2889.76 v1(8668.42,2884.96) ; C16_U_CAN1.1@8618.11,2791.34 8621.18,2794.41 v1(8668.42,2794.41)
  Bottom Layer w15: v1(6610.08,3055.28) 6681.1,2984.25 v1(6767.72,2984.25) 6885.83,2984.25 ; v1(6885.83,3259.84) 6885.83,2984.25 ; v1@7141.73,2984.25 6885.83,2984.25 ; v1@7157.48,2984.25 7330.71,2984.25 v1(7334.65,2988.19) 7437.01,2988.19 ; v1(7440.94,3271.65) 7440.94,2992.13 7437.01,2988.19 ; v1(8204.72,2799.21) 8204.72,2544.79 v1(8209.4,2540.11) ; v1@8204.72,2811.02 8204.72,2846.46 ; v1(8208.66,3141.73) 8208.66,2882.04 8208.74,2881.97 8204.72,2877.95 8204.72,2846.46 ; v1(8668.42,2544.18) v1(8668.42,2794.41) 8668.42,2846.46 ; v1(8668.42,3144.8) v1(8668.42,2884.96) 8668.42,2846.46 ; UNIVERSAL1.1@9090.55,4539.37 9090.55,4527.56 8803.15,4240.16 8803.15,2948.82 8700.79,2846.46 8668.42,2846.46 ; 7437.01,2988.19 v1(7696.85,2988.19) 7838.58,2846.46 8204.72,2846.46 ; 8204.72,2846.46 8668.42,2846.46
"Enc Button": C3.2 R7.1 U1.27 U5.4 | length 4648.9
  Top Layer w19.68: U5.4 2086.61,4295.28 2940.94,3440.95 3913.39,3440.95 ; R7.1 3913.39,3329.2 3913.39,3440.95 ; C3.2 4028.59,3439.91 4027.56,3440.95 ; U1.27@5662.07,2734.59 4955.71,3440.95 4027.56,3440.95 ; 3913.39,3440.95 4027.56,3440.95
"Enc Channel A": C1.2 R5.1 U1.25 U5.1 | length 4675
  Top Layer w19.68: U5.1 2086.61,3358.27 2984.25,2460.63 3909.45,2460.63 ; C1.2 3916.29,2467.47 3909.45,2460.63 ; R5.1 4030.56,2461.66 4031.59,2460.63 ; U1.25@5462.07,2734.59 5188.11,2460.63 4031.59,2460.63 ; 3909.45,2460.63 4031.59,2460.63
"Enc Channel B": C2.2 R6.1 U1.26 U5.2 | length 4008
  Top Layer w19.68: U5.2 3082.68,3125.98 3916.29,3125.98 ; R6.1 3917.32,3124.95 3916.29,3125.98 ; C2.2 4031.59,3125.89 4031.5,3125.98 ; U1.26@5562.07,2734.59 5562.07,2754.09 5190.18,3125.98 4031.5,3125.98 ; 3916.29,3125.98 4031.5,3125.98
GLV+: U11.1 UNIVERSAL1.12 | length 1778.3
  Top Layer w62.99: U11.1 8755.91,3551.18 8908.46,3703.74 8908.46,4601.38 8964.57,4657.48 9248.03,4657.48 UNIVERSAL1.12@9342.52,4562.99
GLV-: pad.4@9803.15,5196.85 U11.4 UNIVERSAL1.11 | length 1589.7
  Top Layer w62.99: U11.4@8590.55,3311.02 8775.59,3311.02 9007.87,3543.31 9181.1,3543.31 9232.28,3594.49 9232.28,4255.91 9345.87,4369.49 UNIVERSAL1.11
  other v1: 9214.34,2832.45 9509.61,3127.72 8753.71,3206.46 9804.89,3423 8737.96,3442.69 9804.89,3915.13 9804.89,4407.25 9804.89,4899.38 9411.19,5096.23
IMD: R13.1 U1.31 | length 795.1
  Top Layer w15: R13.1 5695.28,3109.45 U1.31
"Net5V ACTIVE (ISO)_K": "5V ACTIVE (ISO).K" R35.2 | length 100.1
  Top Layer w15: 8271.95,4396.14 8371.7,4396.14 R35.2
"Net5V ACTIVE_K": "5V ACTIVE.K" R34.2 | length 100
  Top Layer w15: 8474.02,4394.4 R34.2
NetAMS_K: AMS.K R2.2 | length 1453.9
  Top Layer w15: v1(5122.64,4858.27) 5468.5,4858.27 5572.61,4754.17 5572.61,4235.73 R2.2
  Bottom Layer w15: AMS.K v1(5122.64,4858.27)
NetBSPD_K: BSPD.K R4.2 | length 2460.7
  Top Layer w15: R4.2 5970.2,3824.53 6776.78,4631.11 7431.88,4631.11 BSPD.K
NetC10_U_CAN1_2: C10_U_CAN1.2 C11_U_CAN1.2 C12_U_CAN1.2 C13_U_CAN1.2 U2_U_CAN1.12 U2_U_CAN1.19 | length 1274.2
  Top Layer w15: C12_U_CAN1.2 C13_U_CAN1.2 6685.66,3244.88 U2_U_CAN1.12 ; v1(6688.98,3066.93) C12_U_CAN1.2@6688.98,3137.8 ; v1(7035.43,3157.48) v1@7035.66,3157.48 ; C11_U_CAN1.2 v1@7035.66,3157.48 ; U2_U_CAN1.19 C10_U_CAN1.2 v1@7035.66,3157.48
  Bottom Layer w15: v1(6688.98,3066.93) 6688.98,3244.09 6795.17,3350.29 6929.24,3350.29 7035.43,3244.09 v1(7035.43,3157.48)
NetC10_U_CAN2_2: C10_U_CAN2.2 C11_U_CAN2.2 C12_U_CAN2.2 C13_U_CAN2.2 U2_U_CAN2.12 U2_U_CAN2.19 | length 1349.4
  Top Layer w15: U2_U_CAN2.12 7243.1,3315.95 7262.42,3296.64 C10_U_CAN2.2 C12_U_CAN2.2 v1(7262.42,3052.54) ; C11_U_CAN2.2 7593.1,3078.24 C13_U_CAN2.2 U2_U_CAN2.19
  Bottom Layer w15: v1(7262.42,3052.54) 7262.42,3258.48 7376.42,3372.48 7489.72,3372.48 7594.49,3267.72 v1(7594.49,3161.42) v1@7594.49,3157.48
NetC18_U_CAN1_2: C18_U_CAN1.2 U2_U_CAN1.15 U3_U_CAN1.4 U4_U_CAN1.1 | length 2322.6
  Top Layer w15: U2_U_CAN1.15 6835.66,3107.25 U4_U_CAN1.1 6848.43,2915.35 7322.83,2440.95 8055.12,2440.95 8165.09,2550.92 8165.09,2558.47 8244.42,2637.8 8329.22,2637.8 U3_U_CAN1.4 C18_U_CAN1.2
NetC18_U_CAN2_2: C18_U_CAN2.2 U2_U_CAN2.15 U3_U_CAN2.4 U4_U_CAN2.1 | length 1665.9
  Top Layer w15: U2_U_CAN2.15 7393.1,3107.09 U4_U_CAN2.1 7405.7,2881.7 7523.62,2763.78 7787.4,2763.78 8011.81,2988.19 8327.42,2988.19 U3_U_CAN2.4 C18_U_CAN2.2
NetC19_U_CAN1_2: C19_U_CAN1.2 U2_U_CAN1.17 U3_U_CAN1.3 U4_U_CAN1.2 | length 2225
  Top Layer w15: U2_U_CAN1.17 6935.66,3106.92 U4_U_CAN1.2 6923.23,2915.35 7342.52,2496.06 8039.37,2496.06 8236.22,2692.91 8325.44,2692.91 U3_U_CAN1.3 C19_U_CAN1.2
NetC19_U_CAN2_2: C19_U_CAN2.2 U2_U_CAN2.17 U3_U_CAN2.3 U4_U_CAN2.2 | length 1544.2
  Top Layer w15: U2_U_CAN2.17 7493.1,3107.09 U4_U_CAN2.2 7480.51,2909.26 7566.93,2822.83 7755.91,2822.83 7980.31,3047.24 8332.9,3047.24 U3_U_CAN2.3 C19_U_CAN2.2
NetC20_2: C20.2 D2.K U9.1 | length 465.8
  Top Layer w15: C20.2 8598.11,4021.57 U9.1
  Top Layer w62.99: D2.K@8476.38,4192.91 D2.K 8559.06,4192.91 8625.98,4125.98 U9.1
NetD1_A: D1.A D3.K D6.K D9.A D11.K D12.A R9.1 | length 4721.7
  Top Layer w15: D1.A 3692.71,5216.54 3814.96,5216.54 ; D3.K 3811.12,5212.7 3814.96,5216.54 ; R9.1 4372.98,4846.13 4467.8,4940.94 4590.55,4940.94 4707.32,5057.71 4707.32,5148.26 ; D6.K 5066.25,5232.6 5066.93,5233.29 ; D9.A 5689.57,5228.76 5685.04,5233.29 ; D11.K 6697.91,5226.47 6704.72,5233.29 ; D12.A 6794.87,5233.29 6704.72,5233.29 ; 3814.96,5216.54 4639.04,5216.54 4707.32,5148.26 ; 4707.32,5148.26 4792.34,5233.29 5066.93,5233.29 ; 5066.93,5233.29 5685.04,5233.29 ; 5685.04,5233.29 6704.72,5233.29
NetD1_K: D1.K D3.A D4.K D5.A D8.K D10.A R8.1 | length 3407.5
  Top Layer w15: D1.K 3496.48,5027.15 3531.28,4992.34 3881.89,4992.34 ; D3.A 3885.92,4996.37 3881.89,4992.34 ; D4.K 4125.77,4992.34 ; R8.1 4275.59,4988.4 4271.65,4992.34 ; D5.A 4515.22,5023.09 v1(4484.47,4992.34) 4271.65,4992.34 ; D8.K v1(5453.19,5188.54) ; v1(5913.39,5188.98) 6000.75,5101.61 D10.A ; 3881.89,4992.34 4125.77,4992.34 ; 4125.77,4992.34 4271.65,4992.34
  Bottom Layer w15: v1(4484.47,4992.34) 4681.1,5188.98 v1@5452.76,5188.98 ; v1(5453.19,5188.54) v1@5452.76,5188.98 ; v1(5913.39,5188.98) v1@5452.76,5188.98
NetD2_A: D2.A F1.2 | length 198.5
  Top Layer w62.99: D2.A 8299.21,4000 F1.2@8303.15,3996.06
NetD4_A: D4.A D5.K D6.A D9.K D13.K D14.A R10.1 | length 4331.5
  Top Layer w15: D4.A 4204.51,5091.17 4259.01,5145.67 v1(4319.88,5145.67) 4324.8,5140.75 4394.78,5140.75 D5.K ; R10.1 v1(4479.28,4889.76) 4602.36,4889.76 4740.16,5027.56 5140.36,5027.56 5141.05,5028.25 ; D6.A 5141.05,5028.25 ; D9.K 5764.37,4945.08 5764.57,4944.88 ; D13.K 7320.27,5001.37 7318.9,5000 ; D14.A 7462.78,5000 7318.9,5000 ; 5141.05,5028.25 5143.01,5030.21 5228.35,4944.88 5764.57,4944.88 ; 5764.57,4944.88 7263.78,4944.88 7318.9,5000
  Bottom Layer w15: v1(4319.88,5145.67) 4318.9,5144.69 4416.34,5047.24 4416.34,4939.87 4466.44,4889.76 v1(4479.28,4889.76)
NetD8_A: D8.A D10.K D11.A D12.K D13.A D14.K R15.1 | length 4174.2
  Top Layer w15: R15.1 4578.74,4799.21 4755.91,4976.38 v1(5106.3,4976.38) ; v1(5286.14,5003.25) 5287.77,5003.25 D8.A ; D10.K 6080.1,5098.43 v1(6196.85,5098.43) ; D11.A v1(6623.11,5180.04) ; D12.K v1(7133.86,5093.87) D13.A ; D14.K 7634.31,5093.87 v1(7721.55,5181.1)
  Bottom Layer w15: v1(5106.3,4976.38) 5114.17,4976.38 5141.73,5003.94 6102.36,5003.94 v1(6196.85,5098.43) 6279.53,5181.1 v1@6622.05,5181.1 ; v1(6623.11,5180.04) v1@6622.05,5181.1 ; v1(7133.86,5093.87) 7133.86,5181.1 ; v1(7721.55,5181.1) 7133.86,5181.1 ; v1@6622.05,5181.1 7133.86,5181.1
NetF1_1: F1.1 U11.2 | length 153.5
  Top Layer w62.99: U11.2 F1.1
NetIMD_K: IMD.K R3.2 | length 1448.3
  Top Layer w15: R3.2 6514.45,4783.46 v1(6515.75,4783.46)
  Bottom Layer w15: IMD.K 6515.75,5021.06 v1(6515.75,4783.46)
NetPDOC_K: PDOC.K R1.2 | length 2272.3
  Top Layer w15: PDOC.K 4035.9,4371.77 R1.2
NetQ1_B: Q1.B R11.2 | length 196.5
  Top Layer w15: R11.2 Q1.B
NetQ1_C: Q1.C R1.1 | length 195
  Top Layer w15: R1.1 5287.17,4295.94 Q1.C
NetQ2_B: Q2.B R12.2 | length 196.5
  Top Layer w15: R12.2 Q2.B
NetQ2_C: Q2.C R2.1 | length 194.6
  Top Layer w15: Q2.C R2.1
NetQ3_B: Q3.B R13.2 | length 196.5
  Top Layer w15: R13.2 Q3.B
NetQ3_C: Q3.C R3.1 | length 194.6
  Top Layer w15: Q3.C R3.1
NetQ4_B: Q4.B R14.2 | length 196.9
  Top Layer w15: R14.2 5923.23,3280.92 Q4.B
NetQ4_C: Q4.C R4.1 | length 194.6
  Top Layer w15: Q4.C R4.1
NetR23_U_CAN1_2: R23_U_CAN1.2 U2_U_CAN1.18 | length 377.9
  Top Layer w15: R23_U_CAN1.2 6979.43,3357.26 U2_U_CAN1.18
NetR23_U_CAN2_2: R23_U_CAN2.2 U2_U_CAN2.18 | length 382.5
  Top Layer w15: R23_U_CAN2.2 7536.89,2990.67 7536.89,3361.9 7539.37,3361.9 U2_U_CAN2.18
PDOC: R11.1 U1.29 | length 1266.8
  Top Layer w15: R11.1 5249.77,3354.95 U1.29
pads on no net: U1.0 U1.1 U1.2 U1.3 U1.4 U1.7 U1.9 U1.10 U1.11 U1.12 U1.13 U1.14 U1.17 U1.18 U1.19 U1.24 U1.28 U1.33 U1.34 U1.35 U1.36 U1.38 U1.39 U1.40 U1.41 U1.42 U1.43 U1.45 U1.46 U1.47 U1.48 U2_U_CAN1.2 U2_U_CAN1.14 U2_U_CAN2.2 U2_U_CAN2.14 U5.TAB UNIVERSAL1.0 UNIVERSAL1.6 UNIVERSAL1.7 UNIVERSAL1.8 UNIVERSAL1.9 UNIVERSAL1.10
copper on no net:
  other v1: 4982.06,5119.85

## Polygon pours and split planes (outlines as drawn)
"0V (ISO)" on Top Layer "Top Layer-0V (ISO)" (solid, remove dead copper, pour order 4): 6358.27,2338.58 6358.27,3519.69 8129.92,3519.69 8129.92,4338.58 8425.2,4338.58 8425.2,5394.78 1133.86,5394.78 1133.86,2338.58
0V on Top Layer "Top Layer-0V" (solid, remove dead copper, pour order 12): 6358.27,3515.75 6358.27,2338.58 8444.88,2338.58 8444.88,3641.73 8767.72,3641.73 8767.72,5394.78 8425.2,5394.78 8425.2,4338.58 8129.92,4338.58 8129.92,3519.69
GLV- on Top Layer "Top Layer-GLV-" (solid, remove dead copper, pour order 14): 8767.72,5511.81 8767.72,3641.73 8444.88,3641.73 8444.88,2338.58 10000,2338.58 10000,5511.81
no net on Top Layer "Top Layer-No Net" (solid, pour order 2): 4724.41,1476.38
0V on Bottom Layer "Bottom Layer-0V" (solid, remove dead copper, pour order 10): 6358.27,3519.69 6362.2,3515.75 6362.2,2338.58 8444.88,2338.58 8444.88,3641.73 8767.72,3641.73 8767.72,5511.81 8425.2,5511.81 8425.2,4338.58 8129.92,4338.58 8129.92,3519.69
"0V (ISO)" on Bottom Layer "Bottom Layer-0V (ISO)" (solid, remove dead copper, pour order 6): 8425.2,5511.81 8425.2,4338.58 8129.92,4338.58 8129.92,3519.69 6358.27,3519.69 6358.27,2338.58 1137.8,2338.58 1137.8,5511.81
GLV- on Bottom Layer "Bottom Layer-GLV-" (solid, remove dead copper, pour order 18): 8444.88,3641.73 8444.88,2338.58 10000,2338.58 10000,5610.24 8767.72,5610.24 8767.72,3641.73

## Keep-outs
Keep-Out Layer:
  lines w10: 2074.8,2401.57 1137.8,3338.58 1137.8,5192.91 cw(c1334.65,5192.91) 1334.65,5389.76 9803.15,5389.76 cw(c9803.15,5192.91) 10000,5192.91 10000,3338.58 9062.99,2401.57 ; 2075.53,2402.24 ccw(c2220.47,2535.43) 2220.47,2338.58 ; 2224.41,2338.58 8917.32,2338.58 ccw(c8917.32,2535.43) 9062.27,2402.24

## Other copper
Top Layer:
  rectangle: 2806.3,5021.5 2856.3,5156.5
  pour cut-out: 8133.86,4051.18 8133.86,3633.86 8417.32,3633.86 8417.32,4051.18
  text "Team Swinburne" at 1986.3,5076.5 h120
  text "Formula SAE" at 2426.3,5021.5 h70
  text "Dash Ver. 2" at 2670.11,4986.5 h40
  text "19/11/19 - P.M.C" at 2593.36,4951.5 h40
Bottom Layer:
  rectangle: 2806.3,5021.5 2856.3,5156.5
  region: 4389.76,2736.22
  text "Team Swinburne" at 1986.3,5076.5 h120
  text "Formula SAE" at 2426.3,5021.5 h70
  text "Dash Ver. 2" at 2670.11,4986.5 h40
  text "19/11/19 - P.M.C" at 2593.36,4951.5 h40

## Silkscreen, mask and mechanical layers (free items; w line width, h text height)
Top Overlay:
  drawing of 71 lines, arcs and shapes, not listed
  text "Team Swinburne" at 1986.3,5076.5 h120
  text "Formula SAE" at 2426.3,5021.5 h70
  text "Dash Ver. 2" at 2670.11,4986.5 h40
  text "19/11/19 - P.M.C" at 2593.36,4951.5 h40
  text "CAN1" at 6740.16,4291.34 h60
  text "CAN2" at 7275.59,4291.34 h60
  text "DISCO STU'S / CAN'T STOP THE LEARNIN'  / DISCO ACADEMIES" at 2152.35,3261.38 h60

## Dimensions
1334.65,5192.91 to 1334.65,5192.91 on Drill Drawing
1137.8,5192.91 to 1137.8,3338.58 on Drill Drawing
2224.41,2338.58 to 8917.32,2338.58 on Drill Drawing
2224.41,2338.58 to 1334.65,5389.77 on Drill Drawing
1137.8,5192.91 to 10000,5192.91 on Drill Drawing